# Altium PCB Controller.PcbDoc (part 3 of 3)
Units mm, origin at the board's own origin, x right, y up, seen from the top; angles counter-clockwise.
Board outline 182.88 x 202.56 mm, 2 copper layers (Top Layer, Bottom Layer), stack 1.571 mm thick; 290 components, 190 nets, 919 pads, 198 vias.
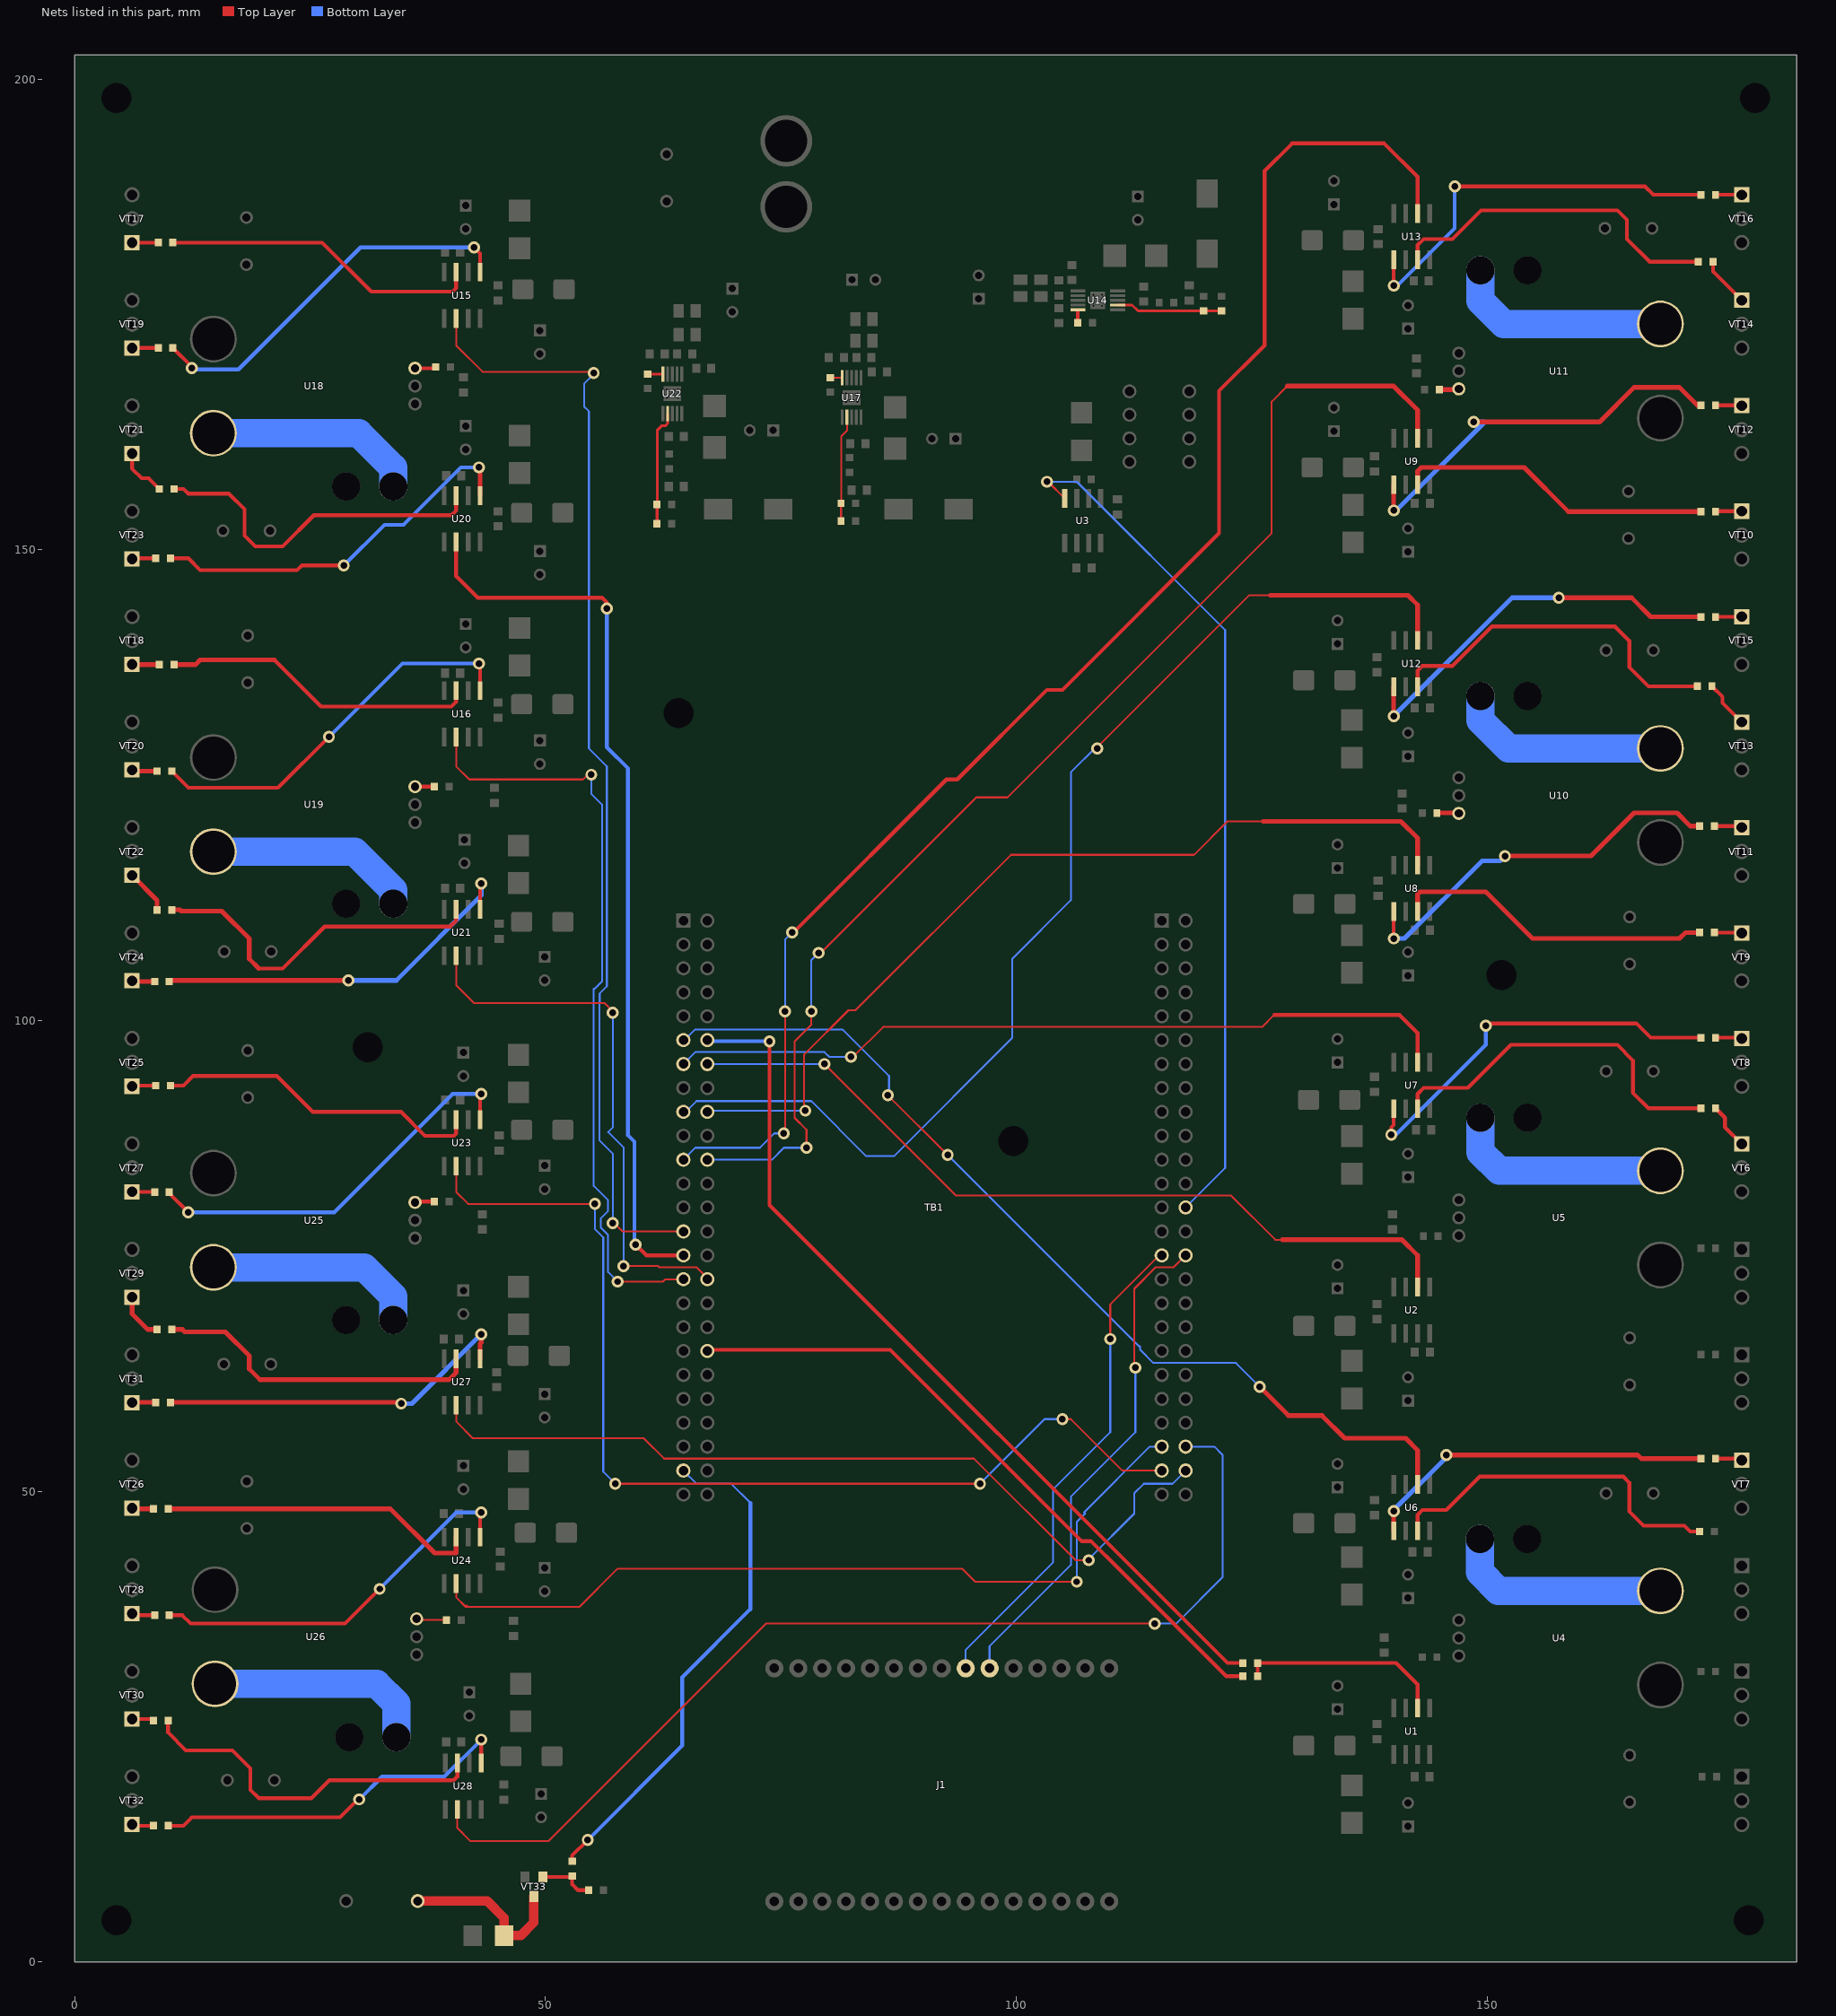
[diagram p3: the nets of this part, all layers, seen from the top]

## Via types
v1: diameter 1.27, hole 0.711, Top Layer to Bottom Layer, 198 vias

## Nets (pads, with @x,y where several pads share a name; then routed paths per layer and width w, separated by ;. In a path a pad name is that pad's centre, name@x,y a point inside that pad or via, vN(x,y) a via of type N, cw(c..) or ccw(c..) an arc to the next point about the centre after c; other vN are vias at no path point) (continued)
NetR8_2: R8.2 U6.7 | length 37.5
  Top Layer w0.4: U6.7@142.621,45.796 142.621,47.498 143.129,48.006 145.669,48.006 149.225,51.562 164.465,51.562 165.1,50.927 165.1,47.879 166.624,46.355 170.942,46.355 171.577,45.72 R8.2@172.577,45.72
NetR9_1: R9.1 VT6.1 | length 4.9
  Top Layer w0.4: R9.1@174.26,90.678 175.26,89.678 175.26,88.671 VT6.1@177.038,86.893
NetR9_2: R9.2 U7.7 | length 38.6
  Top Layer w0.4: U7.7@142.621,90.627 142.621,92.202 143.256,92.837 147.955,92.837 152.527,97.409 163.83,97.409 165.481,95.758 165.481,92.329 167.132,90.678 R9.2@172.704,90.678
NetR10_1: R10.1 VT7.1 | length 2.9
  Top Layer w0.4: R10.1@174.26,53.467 176.86,53.467 VT7.1@177.038,53.289
NetR10_2: R10.2 U6.5 | length 37.6
  Top Layer w0.5: U6.5@140.081,45.796 v1(140.081,47.879) ; v1(145.669,53.848) 165.989,53.848 166.37,53.467 R10.2@172.704,53.467
  Bottom Layer w0.5: v1(140.081,47.879) 140.081,48.006 145.669,53.594 v1(145.669,53.848)
NetR11_1: R11.1 VT8.1 | length 2.8
  Top Layer w0.4: R11.1@174.26,98.171 176.962,98.171 VT8.1@177.038,98.095
NetR11_2: R11.2 U7.5 | length 42.4
  Top Layer w0.4: v1(139.827,87.884) 139.827,88.646 140.081,88.9 U7.5@140.081,90.627 ; v1(149.86,99.441) 150.114,99.695 165.862,99.695 167.386,98.171 R11.2@172.704,98.171
  Bottom Layer w0.4: v1(139.827,87.884) 140.335,87.884 149.86,97.409 v1(149.86,99.441)
NetR12_1: R12.1 VT9.1 | length 2.9
  Top Layer w0.4: R12.1@174.133,109.347 176.987,109.347 VT9.1@177.038,109.296
NetR12_2: R12.2 U8.7 | length 34.2
  Top Layer w0.5: U8.7@142.621,111.582 142.621,113.411 142.875,113.665 149.86,113.665 154.813,108.712 170.434,108.712 171.069,109.347 R12.2@172.577,109.347
NetR13_1: R13.1 VT10.1 | length 2.8
  Top Layer w0.4: R13.1@174.26,154.051 174.311,154.102 VT10.1@177.038,154.102
NetR13_2: R13.2 U9.7 | length 33.6
  Top Layer w0.5: U9.7@142.621,156.921 142.621,158.369 143.002,158.75 153.924,158.75 158.623,154.051 R13.2@172.704,154.051
NetR14_1: R14.1 VT11.1 | length 3
  Top Layer w0.4: R14.1@174.133,120.65 176.886,120.65 VT11.1@177.038,120.498
NetR14_2: R14.2 U8.5 | length 41.5
  Top Layer w0.4: v1(140.081,108.712) U8.5@140.081,111.582
  Top Layer w0.5: v1(151.892,117.475) 161.036,117.475 165.608,122.047 170.18,122.047 171.577,120.65 R14.2@172.577,120.65
  Bottom Layer w0.5: v1(140.081,108.712) 141.224,108.712 149.479,116.967 151.384,116.967 v1(151.892,117.475)
NetR15_1: R15.1 VT12.1 | length 2.8
  Top Layer w0.4: R15.1@174.26,165.354 176.987,165.354 VT12.1@177.038,165.303
NetR15_2: R15.2 U9.5 | length 43.9
  Top Layer w0.5: v1(140.081,154.178) U9.5@140.081,156.921 ; v1(148.59,163.576) 161.925,163.576 165.608,167.259 170.434,167.259 172.339,165.354 R15.2@172.704,165.354
  Bottom Layer w0.5: v1(140.081,154.178) 140.335,154.178 149.733,163.576 v1(148.59,163.576)
NetR16_1: R16.1 U10.3 | length 2.3
  Top Layer w0.5: R16.1@144.669,122.047 146.948,122.047 U10.3@146.99,122.005
NetR17_1: R17.1 U11.3 | length 2.1
  Top Layer w0.5: R17.1@144.923,167.005 146.905,167.005 U11.3@146.99,167.09
NetR18_1: R18.1 VT13.1 | length 5.1
  Top Layer w0.4: R18.1@173.879,135.509 175.006,134.382 175.006,133.731 VT13.1@177.038,131.699
NetR18_2: R18.2 U12.7 | length 37.6
  Top Layer w0.4: U12.7@142.621,135.458 142.621,137.16 143.129,137.668 146.304,137.668 150.495,141.859 163.576,141.859 165.1,140.335 165.1,137.541 167.132,135.509 R18.2@172.323,135.509
NetR19_1: R19.1 VT14.1 | length 5.4
  Top Layer w0.4: R19.1@173.99,180.594 173.99,179.553 VT14.1@177.038,176.505
NetR19_2: R19.2 U13.7 | length 36.4
  Top Layer w0.4: U13.7@142.621,180.797 142.621,182.372 143.256,183.007 146.304,183.007 149.352,186.055 163.83,186.055 164.846,185.039 164.846,183.007 167.259,180.594 R19.2@172.434,180.594
NetR20_2: R20.2 R23.1 U14.7 | length 11.3
  Top Layer w0.3: U14.7@110.754,175.995 112.295,175.995 112.903,175.387 119.872,175.387 R23.1@119.888,175.371 R20.2@121.793,175.371
NetR21_1: R21.1 VT15.1 | length 2.8
  Top Layer w0.4: R21.1@174.26,142.875 177.013,142.875 VT15.1@177.038,142.9
NetR21_2: R21.2 U12.5 | length 41.8
  Top Layer w0.5: v1(140.081,132.334) U12.5@140.081,135.458 ; v1(157.607,144.907) 165.354,144.907 167.386,142.875 R21.2@172.704,142.875
  Bottom Layer w0.5: v1(140.081,132.334) 152.654,144.907 v1(157.607,144.907)
NetR22_1: R22.1 VT16.1 | length 2.8
  Top Layer w0.4: R22.1@174.26,187.706 VT16.1@177.038,187.706
NetR22_2: R22.2 U13.5 | length 42.7
  Top Layer w0.4: v1(140.081,178.054) U13.5@140.081,180.797 ; v1(146.558,188.595) 166.751,188.595 167.64,187.706 R22.2@172.704,187.706
  Bottom Layer w0.4: v1(140.081,178.054) 140.462,178.054 146.558,184.15 v1(146.558,188.595)
NetR25_1: R25.1 U14.5 | length 1.3
  Top Layer w0.4: R25.1@106.537,174.117 106.537,175.425 U14.5@106.554,175.425
NetR26_1: R26.1 VT17.1 | length 2.8
  Top Layer w0.4: VT17.1@6.096,182.626 R26.1@8.874,182.626
NetR26_2: R26.2 U15.7 | length 34.1
  Top Layer w0.4: R26.2@10.43,182.626 26.289,182.626 31.496,177.419 40.132,177.419 40.513,177.8 U15.7@40.513,179.502
NetR27_1: R27.1 VT18.1 | length 2.9
  Top Layer w0.5: VT18.1@6.096,137.82 6.121,137.795 R27.1@9.001,137.795
NetR27_2: R27.2 U16.7 | length 33.6
  Top Layer w0.4: 21.209,138.303 26.162,133.35 40.005,133.35 40.513,133.858 U16.7@40.513,135.052
  Top Layer w0.5: R27.2@10.557,137.795 12.827,137.795 13.335,138.303 21.209,138.303
NetR28_2: R28.2 R31.1 U17.7 | length 11.3
  Top Layer w0.2: R28.2@81.391,153.035 R31.1@81.391,154.94 81.407,154.956 81.407,162.052 82.015,162.66 U17.7@82.015,164.074
NetR29_1: R29.1 VT19.1 | length 2.8
  Top Layer w0.4: VT19.1@6.096,171.425 6.121,171.45 R29.1@8.874,171.45
NetR29_2: R29.2 U15.5 | length 41.5
  Top Layer w0.4: R29.2@10.43,171.45 12.446,169.434 v1(12.446,169.291) ; v1(42.418,182.118) 43.053,181.483 U15.5@43.053,179.502
  Bottom Layer w0.4: v1(12.446,169.291) 12.319,169.164 17.399,169.164 30.353,182.118 v1(42.418,182.118)
NetR30_1: R30.1 VT20.1 | length 2.7
  Top Layer w0.5: VT20.1@6.096,126.619 6.223,126.492 R30.1@8.747,126.492
NetR30_2: R30.2 U16.5 | length 41.8
  Top Layer w0.4: R30.2@10.303,126.492 12.081,124.714 21.59,124.714 v1(27,130.124) ; v1(42.926,137.922) 43.053,137.795 U16.5@43.053,135.052
  Bottom Layer w0.4: v1(27,130.124) 34.798,137.922 v1(42.926,137.922)
NetR32_1: R32.1 U18.3 | length 2.2
  Top Layer w0.4: U18.3@36.144,169.286 38.206,169.286 R32.1@38.338,169.418
NetR33_1: R33.1 U19.3 | length 2.1
  Top Layer w0.4: U19.3@36.144,124.836 36.149,124.841 R33.1@38.211,124.841
NetR35_1: R35.1 U17.5 | length 1.3
  Top Layer w0.2: R35.1@80.264,168.291 80.281,168.274 U17.5@81.515,168.274
NetR36_1: R36.1 VT21.1 | length 5.4
  Top Layer w0.4: VT21.1@6.096,160.223 6.096,158.623 7.112,157.607 7.858,157.607 R36.1@9.001,156.464
NetR36_2: R36.2 U20.7 | length 37.3
  Top Layer w0.4: R36.2@10.557,156.464 11.557,156.464 12.065,155.956 16.383,155.956 18.034,154.305 18.034,151.511 19.177,150.368 22.098,150.368 25.4,153.67 40.005,153.67 40.513,154.178 U20.7@40.513,155.753
NetR37_1: R37.1 VT22.1 | length 4.8
  Top Layer w0.5: VT22.1@6.096,115.418 8.747,112.766 R37.1@8.747,111.76
NetR37_2: R37.2 U21.7 | length 37.4
  Top Layer w0.4: 19.558,105.537 22.098,105.537 26.543,109.982 39.878,109.982 40.513,110.617 U21.7@40.513,111.811
  Top Layer w0.5: R37.2@10.303,111.76 11.176,111.76 11.303,111.633 15.621,111.633 18.542,108.712 18.542,106.553 19.558,105.537
NetR38_1: R38.1 VT23.1 | length 2.6
  Top Layer w0.4: VT23.1@6.096,149.022 6.172,149.098 R38.1@8.62,149.098
NetR38_2: R38.2 U20.5 | length 40.9
  Top Layer w0.4: R38.2@10.176,149.098 12.065,149.098 13.335,147.828 23.622,147.828 24.13,148.336 v1(28.575,148.336)
  Top Layer w0.5: v1(42.926,158.75) 43.053,158.623 U20.5@43.053,155.753
  Bottom Layer w0.4: v1(28.575,148.336) 32.893,152.654 34.925,152.654 41.021,158.75 v1(42.926,158.75)
NetR39_1: R39.1 VT24.1 | length 2.4
  Top Layer w0.5: VT24.1@6.096,104.216 6.172,104.14 R39.1@8.493,104.14
NetR39_2: R39.2 U21.5 | length 41
  Top Layer w0.4: U21.5@43.053,111.811 43.053,114.427 v1(43.18,114.554)
  Top Layer w0.5: R39.2@10.049,104.14 10.176,104.267 v1(29.083,104.267)
  Bottom Layer w0.5: v1(29.083,104.267) 34.163,104.267 43.18,113.284 v1(43.18,114.554)
NetR40_2: R40.2 R41.1 U22.7 | length 12.4
  Top Layer w0.3: R40.2@61.846,152.781 R41.1@61.846,154.813 61.862,154.829 61.862,162.687 62.37,163.195 62.751,163.195 62.978,163.422 U22.7@62.978,164.466
NetR43_1: R43.1 U22.5 | length 1.6
  Top Layer w0.3: R43.1@60.846,168.672 62.472,168.672 U22.5@62.478,168.666
NetR44_1: R44.1 VT25.1 | length 2.6
  Top Layer w0.4: VT25.1@6.096,93.015 6.172,93.091 R44.1@8.62,93.091
NetR44_2: R44.2 U23.7 | length 34.9
  Top Layer w0.4: R44.2@10.176,93.091 11.557,93.091 12.573,94.107 21.463,94.107 25.273,90.297 34.671,90.297 37.211,87.757 40.259,87.757 40.513,88.011 U23.7@40.513,89.459
NetR45_1: R45.1 VT26.1 | length 2.3
  Top Layer w0.5: VT26.1@6.096,48.209 6.172,48.133 R45.1@8.366,48.133
NetR45_2: R45.2 U24.7 | length 34.2
  Top Layer w0.5: R45.2@9.922,48.133 33.528,48.133 38.227,43.434 40.513,43.434 U24.7@40.513,45.136
NetR46_1: R46.1 VT27.1 | length 2.4
  Top Layer w0.4: VT27.1@6.096,81.813 6.121,81.788 R46.1@8.493,81.788
NetR46_2: R46.2 U23.5 | length 42.1
  Top Layer w0.4: R46.2@10.049,81.788 10.049,81.645 v1(12.065,79.629) ; U23.5@43.053,89.459 43.053,92.075 v1(43.18,92.202)
  Bottom Layer w0.4: v1(12.065,79.629) 27.559,79.629 40.132,92.202 v1(43.18,92.202)
NetR47_1: R47.1 VT28.1 | length 2.5
  Top Layer w0.2: VT28.1@6.096,37.008 VT28.1@6.274,36.83
  Top Layer w0.4: VT28.1@6.274,36.83 R47.1@8.493,36.83
NetR47_2: R47.2 U24.5 | length 41.1
  Top Layer w0.4: R47.2@10.049,36.83 11.43,36.83 12.319,35.941 28.702,35.941 v1(32.385,39.624) ; U24.5@43.053,45.136 43.053,47.625 v1(43.18,47.752)
  Bottom Layer w0.4: v1(32.385,39.624) 40.513,47.752 v1(43.18,47.752)
NetR48_1: R48.1 U25.3 | length 2.1
  Top Layer w0.4: U25.3@36.144,80.687 36.229,80.772 R48.1@38.211,80.772
NetR49_1: R49.1 U26.3 | length 3.2
  Top Layer w0.2: U26.3@36.322,36.444 36.444,36.322 R49.1@39.481,36.322
NetR50_1: R50.1 VT29.1 | length 5.1
  Top Layer w0.5: VT29.1@6.096,70.612 6.096,68.834 7.747,67.183 R50.1@8.747,67.183
NetR50_2: R50.2 U27.7 | length 35
  Top Layer w0.5: R50.2@10.303,67.183 11.43,67.183 11.684,66.929 16.002,66.929 18.542,64.389 18.542,62.992 19.685,61.849 39.751,61.849 40.513,62.611 U27.7@40.513,64.059
NetR51_1: R51.1 VT30.1 | length 2.3
  Top Layer w0.4: VT30.1@6.096,25.806 8.214,25.806 R51.1@8.366,25.654
NetR51_2: R51.2 U28.7 | length 38.6
  Top Layer w0.4: R51.2@9.922,25.654 9.922,24.368 11.811,22.479 16.764,22.479 18.669,20.574 18.669,18.288 19.558,17.399 25.146,17.399 27.051,19.304 40.259,19.304 40.64,19.685 U28.7@40.64,21.133
NetR52_1: R52.1 VT31.1 | length 2.5
  Top Layer w0.2: VT31.1@6.096,59.411 VT31.1@6.121,59.436
  Top Layer w0.5: VT31.1@6.121,59.436 R52.1@8.62,59.436
NetR52_2: R52.2 U27.5 | length 38.9
  Top Layer w0.2: v1(34.671,59.309) v1@34.671,59.436
  Top Layer w0.5: R52.2@10.176,59.436 v1@34.671,59.436 ; U27.5@43.053,64.059 43.053,65.659 43.18,65.786 v1(43.18,66.675)
  Bottom Layer w0.5: v1(34.671,59.309) 35.814,59.309 v1(43.18,66.675)
NetR53_1: R53.1 VT32.1 | length 2.3
  Top Layer w0.2: VT32.1@6.096,14.605 VT32.1@6.223,14.478
  Top Layer w0.4: VT32.1@6.223,14.478 R53.1@8.366,14.478
NetR53_2: R53.2 U28.5 | length 39.5
  Top Layer w0.4: R53.2@9.922,14.478 11.557,14.478 12.446,15.367 28.194,15.367 30.099,17.272 v1(30.226,17.272) ; U28.5@43.18,21.133 v1(43.18,23.622)
  Bottom Layer w0.4: v1(30.226,17.272) 32.639,19.685 39.243,19.685 v1(43.18,23.622)
NetR54_2: R54.2 TB1.P1_12 | length 94.5
  Top Layer w0.4: v1(73.787,97.79) 73.787,80.391 122.428,31.75 R54.2@124.063,31.75
  Bottom Layer w0.4: TB1.P1_12@67.183,97.917 67.31,97.79 v1(73.787,97.79)
NetR55_2: R55.2 TB1.P1_38 | length 71.3
  Top Layer w0.4: TB1.P1_38@67.183,64.897 67.31,65.024 86.614,65.024 106.945,44.693 107.937,44.693 109.474,43.156 109.498,43.156 122.301,30.353 R55.2@124.063,30.353
NetR56_1: R56.1 R57.1 VT33.1 | length 6.1
  Top Layer w0.4: VT33.1@49.721,9.03 52.733,9.03 R56.1@52.832,9.128 52.832,8.255 53.467,7.62 R57.1@54.594,7.62
NetR56_2: R56.2 TB1.P1_47 | length 54.5
  Top Layer w0.4: R56.2@52.832,10.684 52.832,11.303 v1(54.483,12.954)
  Bottom Layer w0.2: TB1.P1_47@64.643,52.197 66.04,50.8 69.723,50.8 71.755,48.768
  Bottom Layer w0.4: v1(54.483,12.954) 64.516,22.987 64.516,30.226 71.755,37.465 71.755,48.768
NetU4_5: U4.5 X1.1 | length 23.6
  Bottom Layer w3: X1.1@149.225,44.958 149.225,41.402 151.21,39.417 U4.5@168.402,39.417
NetU5_5: U5.5 X2.1 | length 23.6
  Bottom Layer w3: X2.1@149.305,89.662 149.305,86.026 151.29,84.041 U5.5@168.402,84.041
NetU10_5: U10.5 X6.1 | length 22.9
  Bottom Layer w3: X6.1@149.305,134.493 149.305,131.873 152.273,128.905 U10.5@168.402,128.905
NetU11_5: U11.5 X7.1 | length 23.4
  Bottom Layer w3: X7.1@149.305,179.705 149.305,176.45 151.765,173.99 U11.5@168.402,173.99
NetU18_5: U18.5 X8.1 | length 22.6
  Bottom Layer w3: U18.5@14.732,162.386 30.146,162.386 33.829,158.703 X8.1@33.829,156.718
NetU19_5: U19.5 X9.1 | length 22.2
  Bottom Layer w3: U19.5@14.732,117.936 29.732,117.936 33.829,113.839 X9.1@33.829,112.395
NetU25_5: U25.5 X10.1 | length 22.9
  Bottom Layer w3: U25.5@14.732,73.787 30.734,73.787 33.829,70.692 X10.1@33.829,68.199
NetU26_5: U26.5 X11.1 | length 23.7
  Bottom Layer w3: U26.5@14.91,29.544 32.051,29.544 34.163,27.432 X11.1@34.163,23.876
NetU29_1: U29.1 VD7.2 VT33.3 | length 18.3
  Top Layer w1: U29.1@36.429,6.477 43.815,6.477 45.618,4.674 VD7.2@45.618,2.794 47.371,2.794 48.768,4.191 VT33.3@48.768,6.972
PWMB_ML1: TB1.P1_11 U6.2 | length 102.2
  Top Layer w0.2: v1(86.36,92.075) v1(92.71,85.725)
  Top Layer w0.5: v1(125.857,61.087) 128.905,58.039 132.461,58.039 134.874,55.626 141.351,55.626 142.621,54.356 U6.2@142.621,50.724
  Bottom Layer w0.2: TB1.P1_11@64.643,97.917 64.77,97.917 65.913,99.06 81.534,99.06 86.487,94.107 86.487,92.202 v1(86.36,92.075) ; v1(92.71,85.725) 113.03,65.405 113.157,65.405 113.157,65.024 114.554,63.627 123.317,63.627 v1(125.857,61.087)
PWMB_ML2: TB1.P1_13 U7.2 | length 85
  Top Layer w0.2: v1(82.423,96.139) 82.423,96.52 82.74,96.203 85.852,99.314 126.111,99.314 127.381,100.584
  Top Layer w0.4: 127.381,100.584 140.716,100.584 142.621,98.679 U7.2@142.621,95.555
  Bottom Layer w0.2: TB1.P1_13@64.643,95.377 65.913,96.647 79.639,96.647 80.147,96.139 v1(82.423,96.139)
PWMB_ML3: TB1.P1_17 U12.2 | length 123
  Top Layer w0.2: v1(108.585,128.905) 108.585,129.032 124.714,145.161 127,145.161
  Top Layer w0.5: 127,145.161 141.605,145.161 142.621,144.145 U12.2@142.621,140.386
  Bottom Layer w0.2: TB1.P1_17@64.643,90.297 64.897,90.297 66.04,91.44 78.232,91.44 84.074,85.598 86.995,85.598 99.568,98.171 99.568,106.553 105.791,112.776 105.791,126.365 108.585,129.159 v1(108.585,128.905)
PWMB_ML4: TB1.P1_21 U13.2 | length 159.7
  Top Layer w0.2: v1(75.311,88.011) 75.438,88.138 v1(75.438,100.965)
  Top Layer w0.4: v1(76.2,109.347) 76.327,109.347 92.583,125.603 93.726,125.603 103.251,135.128 104.902,135.128 121.539,151.765 121.539,166.878 126.365,171.704 126.365,190.246 129.286,193.167 139.065,193.167 142.621,189.611 U13.2@142.621,185.725
  Bottom Layer w0.2: TB1.P1_21@64.643,85.217 65.913,86.487 72.771,86.487 74.295,88.011 v1(75.311,88.011) ; v1(75.438,100.965) 75.438,108.585 v1(76.2,109.347)
PWMB_MR1: TB1.P1_29 U20.2 | length 95.8
  Top Layer w0.4: U20.2@40.513,150.825 40.513,147.193 42.799,144.907 56.007,144.907 56.515,144.399 v1(56.515,143.764) ; v1(59.563,76.2) 60.706,75.057 TB1.P1_29@64.643,75.057
  Bottom Layer w0.4: v1(56.515,143.764) 56.515,129.032 58.763,126.784 58.763,87.795 59.436,87.122 59.436,76.327 v1(59.563,76.2)
PWMB_MR2: TB1.P1_32 U21.2 | length 58.4
  Top Layer w0.2: U21.2@40.513,106.883 40.513,103.759 42.418,101.854 56.261,101.854 57.15,100.965 v1(57.15,100.838) ; v1(58.293,73.914) 61.976,73.914 62.103,73.787 66.04,73.787 67.183,72.644 TB1.P1_32@67.183,72.517
  Bottom Layer w0.2: v1(57.15,100.838) 57.15,88.646 56.642,88.138 58.309,86.471 58.309,73.93 v1(58.293,73.914)
PWMB_MR3: TB1.P2_48 U27.2 | length 90.6
  Top Layer w0.2: U27.2@40.513,59.131 40.513,57.404 42.291,55.626 60.452,55.626 62.611,53.467 95.504,53.467 106.299,42.672 v1(107.696,42.672)
  Bottom Layer w0.2: v1(107.696,42.672) 107.696,42.799 112.522,47.625 112.522,49.784 113.538,50.8 116.586,50.8 TB1.P2_48@117.983,52.197
PWMB_MR4: TB1.P2_46 U28.2 | length 112.7
  Top Layer w0.2: U28.2@40.64,16.205 40.64,14.224 42.037,12.827 50.292,12.827 73.406,35.941 v1(114.681,35.941)
  Bottom Layer w0.2: v1(114.681,35.941) 116.967,35.941 121.92,40.894 121.92,53.848 121.031,54.737 TB1.P2_46@117.983,54.737
PWMF_ML1: R54.1 R55.1 U1.2 | length 21.8
  Top Layer w0.4: R55.1@125.619,30.353 R54.1@125.619,31.75 140.335,31.75 142.621,29.464 U1.2@142.621,26.975
PWMF_ML2: TB1.P1_14 U2.2 | length 87.2
  Top Layer w0.2: v1(79.629,95.377) 93.599,81.407 122.809,81.407 127.508,76.708 128.27,76.708
  Top Layer w0.5: 128.27,76.708 140.97,76.708 142.621,75.057 U2.2@142.621,71.679
  Bottom Layer w0.2: TB1.P1_14@67.183,95.377 v1(79.629,95.377)
PWMF_ML3: TB1.P1_18 U8.2 | length 95.5
  Top Layer w0.2: v1(77.597,90.424) 77.47,90.551 77.47,96.393 82.169,101.092 82.931,101.092 99.441,117.602 118.872,117.602 122.428,121.158 126.238,121.158
  Top Layer w0.5: 126.238,121.158 140.843,121.158 142.621,119.38 U8.2@142.621,116.51
  Bottom Layer w0.2: TB1.P1_18@67.183,90.297 67.31,90.424 v1(77.597,90.424)
PWMF_ML4: TB1.P1_22 U9.2 | length 134.1
  Top Layer w0.2: v1(77.724,86.487) 77.724,88.392 76.454,89.662 76.454,97.79 78.232,99.568 v1(78.232,100.965) ; v1(78.994,107.188) 79.248,107.188 95.758,123.698 99.06,123.698 127.127,151.765 127.127,165.735 128.778,167.386
  Top Layer w0.5: 128.778,167.386 140.081,167.386 142.621,164.846 U9.2@142.621,161.849
  Bottom Layer w0.2: TB1.P1_22@67.183,85.217 74.041,85.217 75.311,86.487 v1(77.724,86.487) ; v1(78.232,100.965) 78.232,106.426 v1(78.994,107.188)
PWMF_MR1: TB1.P1_27 U15.2 | length 119.2
  Top Layer w0.2: U15.2@40.513,174.574 40.513,171.704 43.307,168.91 54.991,168.91 v1(55.118,168.783) ; v1(57.15,78.486) 57.277,78.486 58.166,77.597 TB1.P1_27@64.643,77.597
  Bottom Layer w0.2: v1(55.118,168.783) 55.118,168.656 54.102,167.64 54.102,165.227 54.61,164.719 54.61,128.905 56.515,127 56.515,103.632 55.753,102.87 55.753,101.991 55.737,101.975 55.737,87.265 57.15,85.852 v1(57.15,78.486)
PWMF_MR2: TB1.P1_31 U16.2 | length 82.3
  Top Layer w0.2: U16.2@40.513,130.124 40.513,127 41.91,125.603 53.975,125.603 54.546,126.174 54.383,126.338 54.637,126.338 v1(54.864,126.111) ; v1(57.658,72.263) 62.484,72.263 62.738,72.517 TB1.P1_31@64.643,72.517
  Bottom Layer w0.2: v1(54.864,126.111) 54.864,124.079 56.007,122.936 56.007,104.14 55.245,103.378 55.118,103.378 55.118,82.423 56.642,80.899 56.642,79.756 55.88,78.994 55.88,77.978 56.642,77.216 56.642,73.279 v1(57.658,72.263)
PWMF_MR3: TB1.P2_47 U23.2 | length 111.8
  Top Layer w0.2: U23.2@40.513,84.531 40.513,81.788 41.783,80.518 v1(55.245,80.518) ; v1(57.404,50.8) v1(96.139,50.8) ; v1(104.902,57.658) 105.791,57.658 111.252,52.197 TB1.P2_47@115.443,52.197
  Bottom Layer w0.2: v1(55.245,80.518) 55.245,77.851 56.134,76.962 56.134,52.07 v1(57.404,50.8) ; v1(96.139,50.8) 102.997,57.658 v1(104.902,57.658)
PWMF_MR4: TB1.P2_45 U24.2 | length 89.2
  Top Layer w0.2: U24.2@40.513,40.208 40.513,38.735 41.529,37.719 ; 41.667,37.857 41.529,37.719 ; v1(106.426,40.386) 95.631,40.386 94.234,41.783 57.658,41.783 53.594,37.719 41.529,37.719
  Bottom Layer w0.2: v1(106.426,40.386) 106.426,46.736 107.315,47.625 107.188,47.752 114.173,54.737 TB1.P2_45@115.443,54.737
STBY: TB1.P2_26 U3.8 | length 91.2
  Top Layer w0.2: v1(103.251,157.226) 103.378,157.226 U3.8@105.156,155.448
  Bottom Layer w0.2: v1(103.251,157.226) 106.426,157.226 122.174,141.478 122.174,84.328 TB1.P2_26@117.983,80.137
USART2_Rx: J1.7 TB1.P2_29 | length 52.6
  Top Layer w0.2: v1(109.982,66.167) 109.982,69.85 115.189,75.057 TB1.P2_29@115.443,75.057
  Bottom Layer w0.2: J1.7@94.625,31.193 94.625,33.157 103.886,42.418 103.886,50.165 109.982,56.261 v1(109.982,66.167)
USART2_Tx: J1.6 TB1.P2_30 | length 53.7
  Top Layer w0.2: v1(112.649,63.119) 112.522,63.246 112.522,71.501 114.808,73.787 116.713,73.787 TB1.P2_30@117.983,75.057
  Bottom Layer w0.2: J1.6@97.165,31.193 97.165,33.538 105.791,42.164 105.791,49.403 112.649,56.261 v1(112.649,63.119)
pads on no net: J1.1 J1.2 J1.3 J1.4 J1.5 J1.8 J1.9 J1.10 J1.11 J1.12 J1.13 J1.14 J1.15 J1.16 J1.17 J1.18 J1.19 J1.20 J1.21 J1.22 J1.23 J1.24 J1.25 J1.26 J1.27 J1.28 TB1.P1_3 TB1.P1_4 TB1.P1_6 TB1.P1_24 TB1.P1_26 TB1.P1_28 TB1.P1_30 TB1.P1_33 TB1.P1_34 TB1.P1_35 TB1.P1_39 TB1.P1_44 TB1.P1_45 TB1.P1_46 TB1.P1_48 TB1.P2_5 TB1.P2_6 TB1.P2_7 TB1.P2_8 TB1.P2_9 TB1.P2_10 TB1.P2_12 TB1.P2_19 TB1.P2_20 TB1.P2_21 TB1.P2_22 TB1.P2_23 TB1.P2_24 TB1.P2_25 TB1.P2_28 TB1.P2_31 TB1.P2_32 TB1.P2_35 TB1.P2_37 TB1.P2_38 TB1.P2_39 TB1.P2_40 TB1.P2_41 TB1.P2_42 TB1.P2_43 TB1.P2_44 U14.3 U14.6 U17.3 U17.6 U22.3 U22.6

## Polygon pours and split planes (outlines as drawn)
GND on Top Layer "GND_1" (solid, pour order 10): 78.121,179.407 88.027,179.407 89.424,178.01 89.424,169.628 96.409,162.643 96.409,149.689 83.836,149.689 83.709,149.562 78.756,154.515 78.756,159.468
GND on Top Layer "GND_1" (solid, pour order 4): 58.42,179.578 58.42,149.479 75.184,149.479 75.311,149.352 75.565,149.606 75.565,166.878 73.787,168.656 73.787,179.324 73.533,179.578
GND on Top Layer "GND_1" (solid, pour order 12): 94.361,185.166 96.012,185.166 102.87,192.024 103.124,191.77 124.587,191.77 124.587,172.339 124.46,172.212 94.107,172.212
GND on Top Layer "GND_1" (solid, pour order 0): 57.912,146.812 58.039,146.939 124.46,146.939 124.46,3.937 58.42,3.937 58.42,146.304
GND on Top Layer "GND_1" (solid, pour order 16): 100.33,170.942 124.841,170.942 124.968,171.069 125.476,170.561 125.476,145.796 101.346,145.796
GND on Bottom Layer "GND_1" (solid, pour order 8): 77.851,179.578 87.757,179.578 89.154,178.181 89.154,169.799 96.139,162.814 96.139,149.86 83.566,149.86 83.439,149.733 78.486,154.686 78.486,159.639
GND on Bottom Layer "GND_1" (solid, pour order 6): 58.42,179.578 58.42,149.479 75.184,149.479 75.311,149.352 75.565,149.606 75.565,166.878 73.787,168.656 73.787,179.324 73.533,179.578
GND on Bottom Layer "GND_1" (solid, pour order 2): 57.804,146.685 58.185,147.066 124.352,147.066 124.352,3.81 58.547,3.81 58.547,145.942
GND on Bottom Layer "GND_1" (solid, pour order 18): 99.984,171.069 124.495,171.069 124.622,171.196 125.13,170.688 125.13,145.923 101,145.923
GND on Bottom Layer "GND_1" (solid, pour order 14): 94.361,185.19 96.012,185.19 102.87,192.048 103.124,191.794 124.587,191.794 124.587,172.363 124.46,172.236 94.107,172.236

## Other copper
Top Layer:
  pour cut-out: 233 vertices and 0 holes, not listed, extent 0.889,18.415 182.499,197.739
  pour cut-out: 101.981,91.313 104.013,89.281 104.013,85.09 102.108,83.185 98.552,83.185 97.917,83.185 96.901,83.566 95.631,84.836 95.631,90.424 96.52,91.313
  pour cut-out: 66.167,136.779 68.199,134.747 68.199,130.556 66.294,128.651 62.738,128.651 62.103,128.651 61.087,129.032 59.817,130.302 59.817,135.89 60.706,136.779
  region net 3.3V: 73.406,163.449 73.152,163.195 73.152,151.765 76.454,151.765 76.454,152.146 76.454,163.449
  region net GND: 104.267,182.372 111.633,182.372 111.633,180.34 109.474,178.181 109.474,173.228 109.093,172.847 104.013,172.847 104.013,174.498 105.029,174.498 105.029,173.355 107.696,173.355 107.696,174.879 107.823,175.006 107.823,178.816 108.458,179.451 108.458,181.102 104.394,181.102 104.267,181.229
  region net 12V: 123.571,189.738 123.698,189.611 123.698,186.436 112.014,186.436 111.76,186.436 111.506,186.436 111.506,189.738
  region net 5V: 95.631,151.575 95.504,151.447 92.329,151.447 92.329,162.941 92.329,163.195 92.329,163.639 95.631,163.639
  region net GND: 88.392,174.625 88.392,163.957 85.725,163.957 84.328,165.354 79.375,165.354 78.994,165.735 78.994,170.815 80.645,170.815 80.645,169.799 79.502,169.799 79.502,167.132 81.026,167.132 81.153,167.005 83.566,167.005 84.201,166.37 87.249,166.37 87.249,174.625
  region net GND: 61.481,171.45 61.481,170.307 60.338,170.307 60.084,170.053 60.084,167.767 60.338,167.513 62.116,167.513 62.243,167.386 65.164,167.386 65.164,167.259 65.926,166.497 67.704,166.497 67.704,167.132 68.339,167.767 68.339,175.641 69.863,175.641 69.863,163.957 69.736,164.084 66.815,164.084 65.164,165.735 59.576,165.735 59.449,165.862 59.449,171.45
  pour cut-out: 164.211,18.288 177.8,18.288 177.8,16.256 177.673,16.129 164.211,16.129 164.211,17.907 164.338,18.034
  pour cut-out: 161.544,50.927 161.671,50.8 163.703,50.8 163.703,46.355 164.973,45.085 170.815,45.085 175.26,40.64 177.8,40.64 178.308,40.132 178.308,38.608 178.054,38.354 174.244,38.354 169.799,42.799 163.83,42.799 161.29,45.339
  pour cut-out: 164.338,62.357 172.212,62.357 172.974,63.119 178.054,63.119 178.054,60.706 177.8,60.96 173.863,60.96 173.863,60.706 172.974,59.817 164.338,59.817 164.338,60.579 163.83,61.087
  pour cut-out: 161.544,95.504 163.576,95.504 163.576,91.694 164.973,90.297 164.973,89.916 170.942,89.916 175.514,85.344 177.8,85.344 178.308,84.836 178.308,83.439 174.752,83.439 174.498,83.185 170.053,87.63 164.338,87.63 161.544,90.424
  pour cut-out: 164.211,107.061 171.831,107.061 172.72,107.95 177.927,107.95 177.927,105.664 177.8,105.791 173.482,105.791 173.482,105.664 172.593,104.775 164.338,104.775 164.338,105.156 163.83,105.664
  pour cut-out: 161.417,140.208 163.576,140.208 163.576,137.414 166.243,134.747 170.561,134.747 175.006,130.302 177.8,130.302 177.927,130.429 178.054,130.302 178.054,128.016 173.99,128.016 173.863,127.889 169.799,131.953 169.799,132.334 165.481,132.334 161.544,136.271 161.163,136.271
  pour cut-out: 163.957,152.273 173.228,152.273 173.355,152.146 173.99,152.781 178.054,152.781 178.181,152.654 178.054,152.527 178.054,150.622 175.006,150.622 174.498,150.114 174.498,149.987 163.957,149.987
  pour cut-out: 161.544,185.166 161.671,185.293 163.449,185.293 163.449,181.356 164.973,179.832 164.973,179.578 170.815,179.578 175.387,175.006 177.8,175.006 177.927,174.879 177.927,172.974 174.625,172.974 174.498,172.847 169.926,177.419 164.084,177.419 163.957,177.292 161.29,179.959 161.163,179.959
  pour cut-out: 5.334,29.464 10.668,29.464 14.351,25.781 20.32,25.781 22.225,23.876 21.971,23.622 21.971,18.415 20.447,18.415 20.32,18.288 20.066,18.542 20.066,22.987 19.177,23.876 13.208,23.876 9.906,27.178 5.08,27.178 4.826,27.432 4.953,27.559 4.953,28.956
  pour cut-out: 5.08,51.816 7.493,51.816 7.62,51.689 8.128,52.197 8.128,52.324 18.542,52.324 19.558,51.308 19.558,50.165 19.431,50.165 19.05,49.784 5.334,49.784 5.207,49.657 4.953,49.911 4.953,51.181
  pour cut-out: 5.08,74.295 8.763,74.295 12.954,70.104 18.669,70.104 21.971,66.802 21.971,62.992 21.463,62.484 20.193,62.484 19.558,63.119 19.558,65.913 17.78,67.691 11.938,67.691 7.493,72.136 4.953,72.136 4.953,72.771 4.699,73.025
  pour cut-out: 4.826,96.52 4.953,96.647 10.541,96.647 11.938,98.044 18.923,98.044 18.923,97.663 19.431,97.155 19.431,96.139 19.177,96.139 18.669,95.631 12.573,95.631 11.303,94.361 5.08,94.361 4.445,94.996
  pour cut-out: 4.826,119.126 4.953,118.999 8.89,118.999 13.208,114.681 18.034,114.681 22.098,110.617 22.098,106.68 21.844,106.68 21.209,106.045 20.955,106.299 20.066,106.299 20.066,106.68 19.685,107.061 19.685,109.855 17.018,112.522 16.764,112.268 12.065,112.268 7.366,116.967 4.953,116.967 4.953,117.475 4.572,117.856
  pour cut-out: 5.08,141.605 5.334,141.351 9.906,141.351 10.541,141.986 10.668,141.859 19.177,141.859 19.177,140.208 18.923,139.954 11.43,139.954 10.668,139.192 5.08,139.192 5.08,139.954 4.699,140.335
  pour cut-out: 4.953,163.83 8.509,163.83 13.335,159.004 18.542,159.004 21.844,155.702 21.717,155.575 21.717,151.384 21.082,150.749 20.955,150.876 20.066,150.876 20.066,151.13 19.431,151.765 19.431,154.813 17.526,156.718 12.319,156.718 12.319,156.845 7.366,161.798 7.112,161.544 5.334,161.544 5.334,161.671 4.445,162.56
  pour cut-out: 4.953,186.436 19.177,186.436 19.177,184.404 18.923,184.15 4.953,184.15
Bottom Layer:
  region net +Bat: 0.762,51.689 0.762,47.625 2.159,47.625 2.286,47.752 2.286,51.689
  pour cut-out: 161 vertices and 0 holes, not listed, extent 0.762,16.129 182.626,197.612
  pour cut-out: 101.981,91.186 103.886,89.281 103.886,84.709 102.362,83.185 98.298,83.185 98.171,83.312 96.901,83.312 95.631,84.582 95.631,90.17 96.647,91.186
  pour cut-out: 66.167,136.906 68.072,135.001 68.072,130.429 66.548,128.905 62.484,128.905 62.357,129.032 61.087,129.032 59.817,130.302 59.817,135.89 60.833,136.906
  pour cut-out: 165.862,31.623 173.355,31.623 175.641,29.337 177.927,29.337 178.054,29.21 177.927,29.083 177.927,27.432 175.768,27.432 175.133,26.797 175.133,16.637 176.149,15.621 177.927,15.621 178.054,15.494 178.054,13.589 175.514,13.589 175.26,13.335 173.609,14.986 172.974,14.986 171.831,16.129 171.831,26.67 166.243,26.67 165.735,27.178 165.735,29.337
  pour cut-out: 177.927,51.689 177.927,49.657 175.133,49.657 175.133,38.227 175.26,38.1 177.673,38.1 178.308,37.465 178.308,36.068 173.609,36.068 173.482,35.941 172.085,37.338 172.085,43.053 171.704,43.434 152.781,43.434 152.781,46.609 171.704,46.609 171.704,50.546 173.101,51.943 177.419,51.943 177.673,51.689
  pour cut-out: 147.574,46.609 150.749,46.609 150.749,42.164 152.019,40.894 167.005,40.894 168.021,41.91 168.148,41.783 170.307,41.783 170.307,41.148 171.196,40.259 171.196,38.227 169.926,36.957 165.735,36.957 164.973,37.719 164.846,37.592 150.368,37.592 150.368,37.846 147.447,40.767
  pour cut-out: 178.181,74.168 178.054,74.041 178.054,72.136 175.387,72.136 175.133,71.882 175.133,60.579 177.292,60.579 178.181,59.69 178.181,58.801 177.673,58.293 173.101,58.293 171.577,59.817 171.577,71.501 167.005,71.501 165.862,72.644 165.862,75.692 165.608,75.946 166.37,76.708 169.291,76.708 170.942,75.057 174.371,75.057 175.006,74.422 175.387,74.422
  pour cut-out: 152.4,91.44 171.577,91.44 171.704,91.567 171.704,94.488 173.863,96.647 174.117,96.393 177.927,96.393 177.927,94.742 177.8,94.615 176.149,94.615 176.149,94.488 174.879,93.218 174.879,82.931 177.546,82.931 178.054,82.423 178.054,81.407 177.8,81.153 177.8,80.772 173.99,80.772 173.863,80.645 171.958,82.55 171.958,88.011 171.831,88.138 153.162,88.138 152.273,89.027
  pour cut-out: 147.574,91.186 150.876,91.186 150.876,86.36 151.638,85.598 166.243,85.598 166.37,85.471 167.132,86.233 170.561,86.233 170.815,85.979 170.815,82.042 150.622,82.042 147.574,85.09 147.447,85.09
  pour cut-out: 166.37,121.158 170.053,121.158 172.212,118.999 178.054,118.999 178.308,118.745 178.308,116.967 175.768,116.967 175.133,116.332 175.133,105.664 175.514,105.283 177.673,105.283 177.673,103.124 177.419,102.87 173.736,102.87 171.704,104.902 171.704,115.316 168.275,115.316 165.608,117.983 165.608,119.253
  pour cut-out: 171.831,139.954 172.466,139.954 174.498,141.986 174.625,141.859 175.768,141.859 176.149,141.478 177.673,141.478 178.054,141.097 178.054,139.573 176.403,139.573 175.387,138.557 175.006,138.557 175.006,128.524 175.768,127.762 177.927,127.762 177.927,125.603 174.625,125.603 173.101,127.127 172.339,127.127 172.339,127.508 171.831,128.016 171.831,132.842 153.035,132.842 152.4,133.477 152.4,135.382 152.527,135.382 153.543,136.398 171.704,136.398 171.704,140.081
  pour cut-out: 147.574,136.144 150.749,136.144 151.003,135.89 151.003,132.207 151.511,132.207 153.289,130.429 167.005,130.429 168.148,131.572 168.529,131.191 170.18,131.191 170.18,130.683 171.069,129.794 171.069,127.127 151.638,127.127 151.511,127 147.447,131.064 147.447,131.191
  pour cut-out: 166.954,166.497 169.545,166.497 172.212,163.83 174.371,163.83 175.006,164.465 175.387,164.084 177.673,164.084 178.308,163.449 178.308,162.052 178.054,161.798 177.927,161.925 176.276,161.925 176.276,161.798 174.879,160.401 174.879,150.749 175.641,149.987 177.8,149.987 177.8,149.479 178.054,149.225 178.054,148.082 177.8,148.082 177.546,147.828 174.371,147.828 172.72,149.479 171.958,149.479 171.958,150.368 171.704,150.622 171.704,159.512 170.434,159.512 169.037,160.909 169.037,161.29 167.64,161.29 165.735,163.195 165.735,164.465
  pour cut-out: 172.085,184.404 174.498,186.817 174.625,186.69 175.768,186.69 176.276,186.182 177.927,186.182 177.927,184.15 176.149,184.15 175.133,183.134 175.387,182.88 175.387,172.974 175.895,172.466 177.419,172.466 178.181,171.704 178.181,170.688 177.927,170.688 177.419,170.18 174.117,170.18 172.085,172.212 172.085,178.054 153.289,178.054 153.162,177.927 152.273,178.816 152.273,181.483 152.4,181.61 171.577,181.61 171.577,183.261 172.085,183.769
  pour cut-out: 147.447,181.483 147.574,181.356 150.876,181.356 150.876,177.165 152.4,175.641 166.37,175.641 166.497,175.514 167.513,176.53 170.053,176.53 171.069,175.514 171.069,172.593 169.672,171.196 167.132,171.196 167.132,171.45 166.116,172.466 150.368,172.466 147.32,175.514
  pour cut-out: 5.334,32.131 5.588,31.877 9.017,31.877 9.906,30.988 10.668,30.988 10.668,30.734 11.557,29.845 11.557,25.527 30.099,25.527 31.115,24.511 31.115,22.733 30.48,22.098 11.557,22.098 11.557,18.034 9.017,15.621 8.763,15.494 7.874,15.494 7.366,16.002 5.207,16.002 5.207,18.161 5.334,18.288 7.112,18.288 8.255,19.431 8.001,19.685 8.001,29.845 5.08,29.845 4.699,30.226 4.699,30.861
  pour cut-out: 12.573,31.369 32.639,31.369 36.068,27.94 36.068,22.479 35.687,22.098 33.401,22.098 33.401,22.225 32.512,23.114 32.512,26.924 32.385,26.924 31.496,27.813 31.242,27.559 16.129,27.559 15.621,27.051 14.859,27.813 12.954,27.813 12.954,28.448 12.192,29.21
  pour cut-out: 5.08,54.356 5.207,54.229 8.89,54.229 11.557,51.562 11.557,42.799 14.605,42.799 17.272,40.132 17.272,37.973 16.51,37.211 13.335,37.211 13.208,37.084 11.938,38.354 11.938,39.497 10.541,39.497 9.144,38.1 7.366,38.1 7.112,38.354 7.112,38.608 5.461,38.608 5.08,38.989 4.699,38.989 4.699,40.513 4.826,40.64 6.858,40.64 8.382,42.164 8.255,42.291 8.255,51.181 8.128,51.181 6.858,52.451 5.08,52.451
  pour cut-out: 11.049,66.675 11.049,62.103 9.144,60.198 6.731,60.198 5.969,60.96 5.207,60.96 5.207,62.865 5.969,63.627 7.874,63.627 8.001,63.754 8.001,74.422 6.858,74.422 6.604,74.676 5.334,74.676 4.953,75.057 4.953,75.438 5.207,75.692 5.207,76.835 8.636,76.835 10.922,74.549 11.049,74.549 11.049,69.723 11.176,69.596 11.43,69.85 30.099,69.85 30.734,69.215 30.353,68.834 30.353,66.675
  pour cut-out: 4.953,99.314 5.207,99.06 9.398,99.06 11.176,97.282 11.176,87.122 13.589,87.122 14.351,86.36 15.494,86.36 17.272,84.582 17.272,82.677 17.018,82.677 15.494,81.153 15.367,81.28 13.208,81.28 13.208,81.661 12.192,82.677 7.747,82.677 7.747,82.804 7.239,83.312 7.112,83.185 5.08,83.185 5.08,85.09 4.826,85.344 5.08,85.598 7.62,85.598 8.128,86.106 8.128,96.647 7.874,96.647 7.366,97.155 4.953,97.155
  pour cut-out: 10.668,105.41 7.747,105.41 7.493,105.664 7.493,105.791 5.207,105.791 5.08,105.664 4.826,105.918 4.826,107.823 7.493,107.823 7.62,107.95 7.493,108.077 7.493,118.872 6.858,119.507 5.207,119.507 5.207,120.015 4.826,120.396 4.826,121.666 8.001,121.666 8.128,121.793 10.795,119.126 10.795,114.173 11.049,113.919 30.48,113.919 30.48,110.744 30.226,110.49 10.795,110.49 10.795,105.664
  pour cut-out: 5.08,144.018 9.017,144.018 10.922,142.113 10.922,131.826 13.589,131.826 17.272,128.143 17.272,126.873 15.875,125.476 13.589,125.476 13.589,125.603 11.557,127.635 7.747,127.635 7.747,127.762 7.366,128.143 5.08,128.143 5.08,130.175 4.953,130.302 7.493,130.302 7.493,131.572 7.747,131.826 7.62,131.953 7.62,141.351 6.985,141.986 5.08,141.986
  pour cut-out: 4.953,165.608 5.207,166.37 8.763,166.37 11.176,163.957 11.049,163.83 11.049,158.75 29.337,158.75 30.861,157.226 30.988,157.226 30.988,155.702 30.226,154.94 11.303,154.94 11.303,152.273 9.017,149.987 7.493,149.987 6.985,150.495 4.826,150.495 4.826,152.527 4.953,152.654 7.366,152.654 8.128,153.416 8.128,163.195 6.858,164.465 5.461,164.465
  pour cut-out: 5.08,188.722 9.144,188.722 10.795,187.071 10.795,175.895 14.351,175.895 16.891,173.355 16.891,171.45 15.621,170.18 13.462,170.18 11.176,172.466 7.62,172.466 7.239,172.847 5.08,172.847 5.08,175.006 4.953,175.133 7.747,175.133 7.747,186.055 7.112,186.69 5.08,186.69
  pour cut-out: 12.319,164.465 12.827,163.957 31.242,163.957 35.814,159.385 35.687,159.258 35.687,155.829 34.798,154.94 34.671,155.067 32.766,155.067 32.766,156.337 32.004,157.099 32.131,157.226 32.131,158.242 31.877,158.242 29.591,160.528 29.464,160.401 12.7,160.401 12.7,161.036 11.811,161.925
  pour cut-out: 12.319,120.015 12.446,119.888 30.607,119.888 30.607,119.507 35.687,114.427 35.687,111.252 35.306,111.252 34.798,110.744 32.766,110.744 32.004,111.506 32.004,113.411 31.75,113.411 29.083,116.078 28.829,115.824 13.208,115.824 13.208,116.205 11.938,117.475
  pour cut-out: 12.192,75.565 12.319,75.438 31.877,75.438 31.877,75.184 35.687,71.374 35.687,66.675 32.258,66.675 32.131,66.802 32.131,69.85 32.004,69.85 29.845,72.009 16.002,72.009 15.24,71.247 13.081,71.247 13.081,71.374 11.811,72.644 11.811,74.803

## Silkscreen, mask and mechanical layers (free items; w line width, h text height)
Top Overlay:
  circle w0.254: c64.092,132.728 r3.513
  circle w0.254: c99.652,87.262 r3.513
  circle w0.254: c151.468,104.915 r3.513
  circle w0.254: c31.072,97.219 r3.513
  circle w0.254: c178.392,198.057 r3.513
  circle w0.254: c4.402,198.057 r3.513
  circle w0.254: c177.757,4.509 r3.513
  circle w0.254: c4.445,4.445 r3.513
  text "8 DC motors controller" at 84.582,197.993 h4
  text "VVK Corp." at 13.589,196.215 h4
Mechanical 3:
  lines w0.254: 0,0 182.88,0 182.88,202.565 83.056,202.565 0,202.565 0,0

## Dimensions
-0.889,202.565 to -1.016,0 on Mechanical 10
0,-1.143 to 183.007,-0.508 on Mechanical 10

## Text inside footprints (layer, text, board x,y; h text height)
J1: Top Overlay "ESP32-Devkit V1" at 105.029,18.669 h1 r180; Top Overlay "EN" at 75.057,4.064 h1 r180; Top Overlay "VP" at 77.47,9.144 h1 r180; Top Overlay "VN" at 80.645,4.064 h1 r180; Top Overlay "IO34" at 83.693,9.144 h1 r180; Top Overlay "IO35" at 86.487,4.064 h1 r180; Top Overlay "IO32" at 88.646,9.144 h1 r180; Top Overlay "IO33" at 91.313,4.064 h1 r180; Top Overlay "IO25" at 93.472,9.271 h1 r180; Top Overlay "IO26" at 96.393,3.937 h1 r180; Top Overlay "IO27" at 98.679,9.398 h1 r180; Top Overlay "IO14" at 101.219,3.937 h1 r180; Top Overlay "IO12" at 103.886,9.271 h1 r180; Top Overlay "IO13" at 106.553,3.937 h1 r180; Top Overlay "GND" at 108.839,9.398 h1 r180; Top Overlay "VIN" at 113.157,9.271 h1 r180; Top Overlay "IO23" at 75.438,28.956 h1 r180; Top Overlay "IO22" at 78.74,34.417 h1 r180; Top Overlay "IO1" at 80.518,28.956 h1 r180; Top Overlay "IO3" at 83.185,34.417 h1 r180; Top Overlay "IO21" at 86.106,29.083 h1 r180; Top Overlay "IO19" at 88.646,34.417 h1 r180; Top Overlay "IO18" at 91.186,29.21 h1 r180; Top Overlay "IO5" at 93.218,34.544 h1 r180; Top Overlay "IO17" at 96.647,29.21 h1 r180; Top Overlay "IO16" at 99.06,34.544 h1 r180; Top Overlay "IO4" at 100.965,29.337 h1 r180; Top Overlay "IO2" at 103.378,34.29 h1 r180; Top Overlay "IO15" at 105.664,29.21 h1 r180; Top Overlay "GND" at 109.093,29.21 h1 r180; Top Overlay "3V3" at 113.792,29.21 h1 r180; Mechanical 13 "ESP32-DEVKITV1" at 88.646,25.019 h1 r180
U3: Top Overlay "*" at 104.902,149.784 h1 r90; Mechanical 13 "*" at 105.956,151.194 h1 r90
X1: Top Overlay "+" at 146.525,41.858 h1
X2: Top Overlay "+" at 146.605,86.562 h1
X5: Top Overlay "+" at 71.065,197.436 h1 r270
X6: Top Overlay "+" at 146.605,131.393 h1
X7: Top Overlay "+" at 146.605,176.605 h1
X8: Top Overlay "+" at 36.529,159.818 h1 r180
X9: Top Overlay "+" at 36.529,115.495 h1 r180
X10: Top Overlay "+" at 36.529,71.299 h1 r180
X11: Top Overlay "+" at 36.863,26.976 h1 r180